# KiCad board B-Sides 2025.kicad_pcb
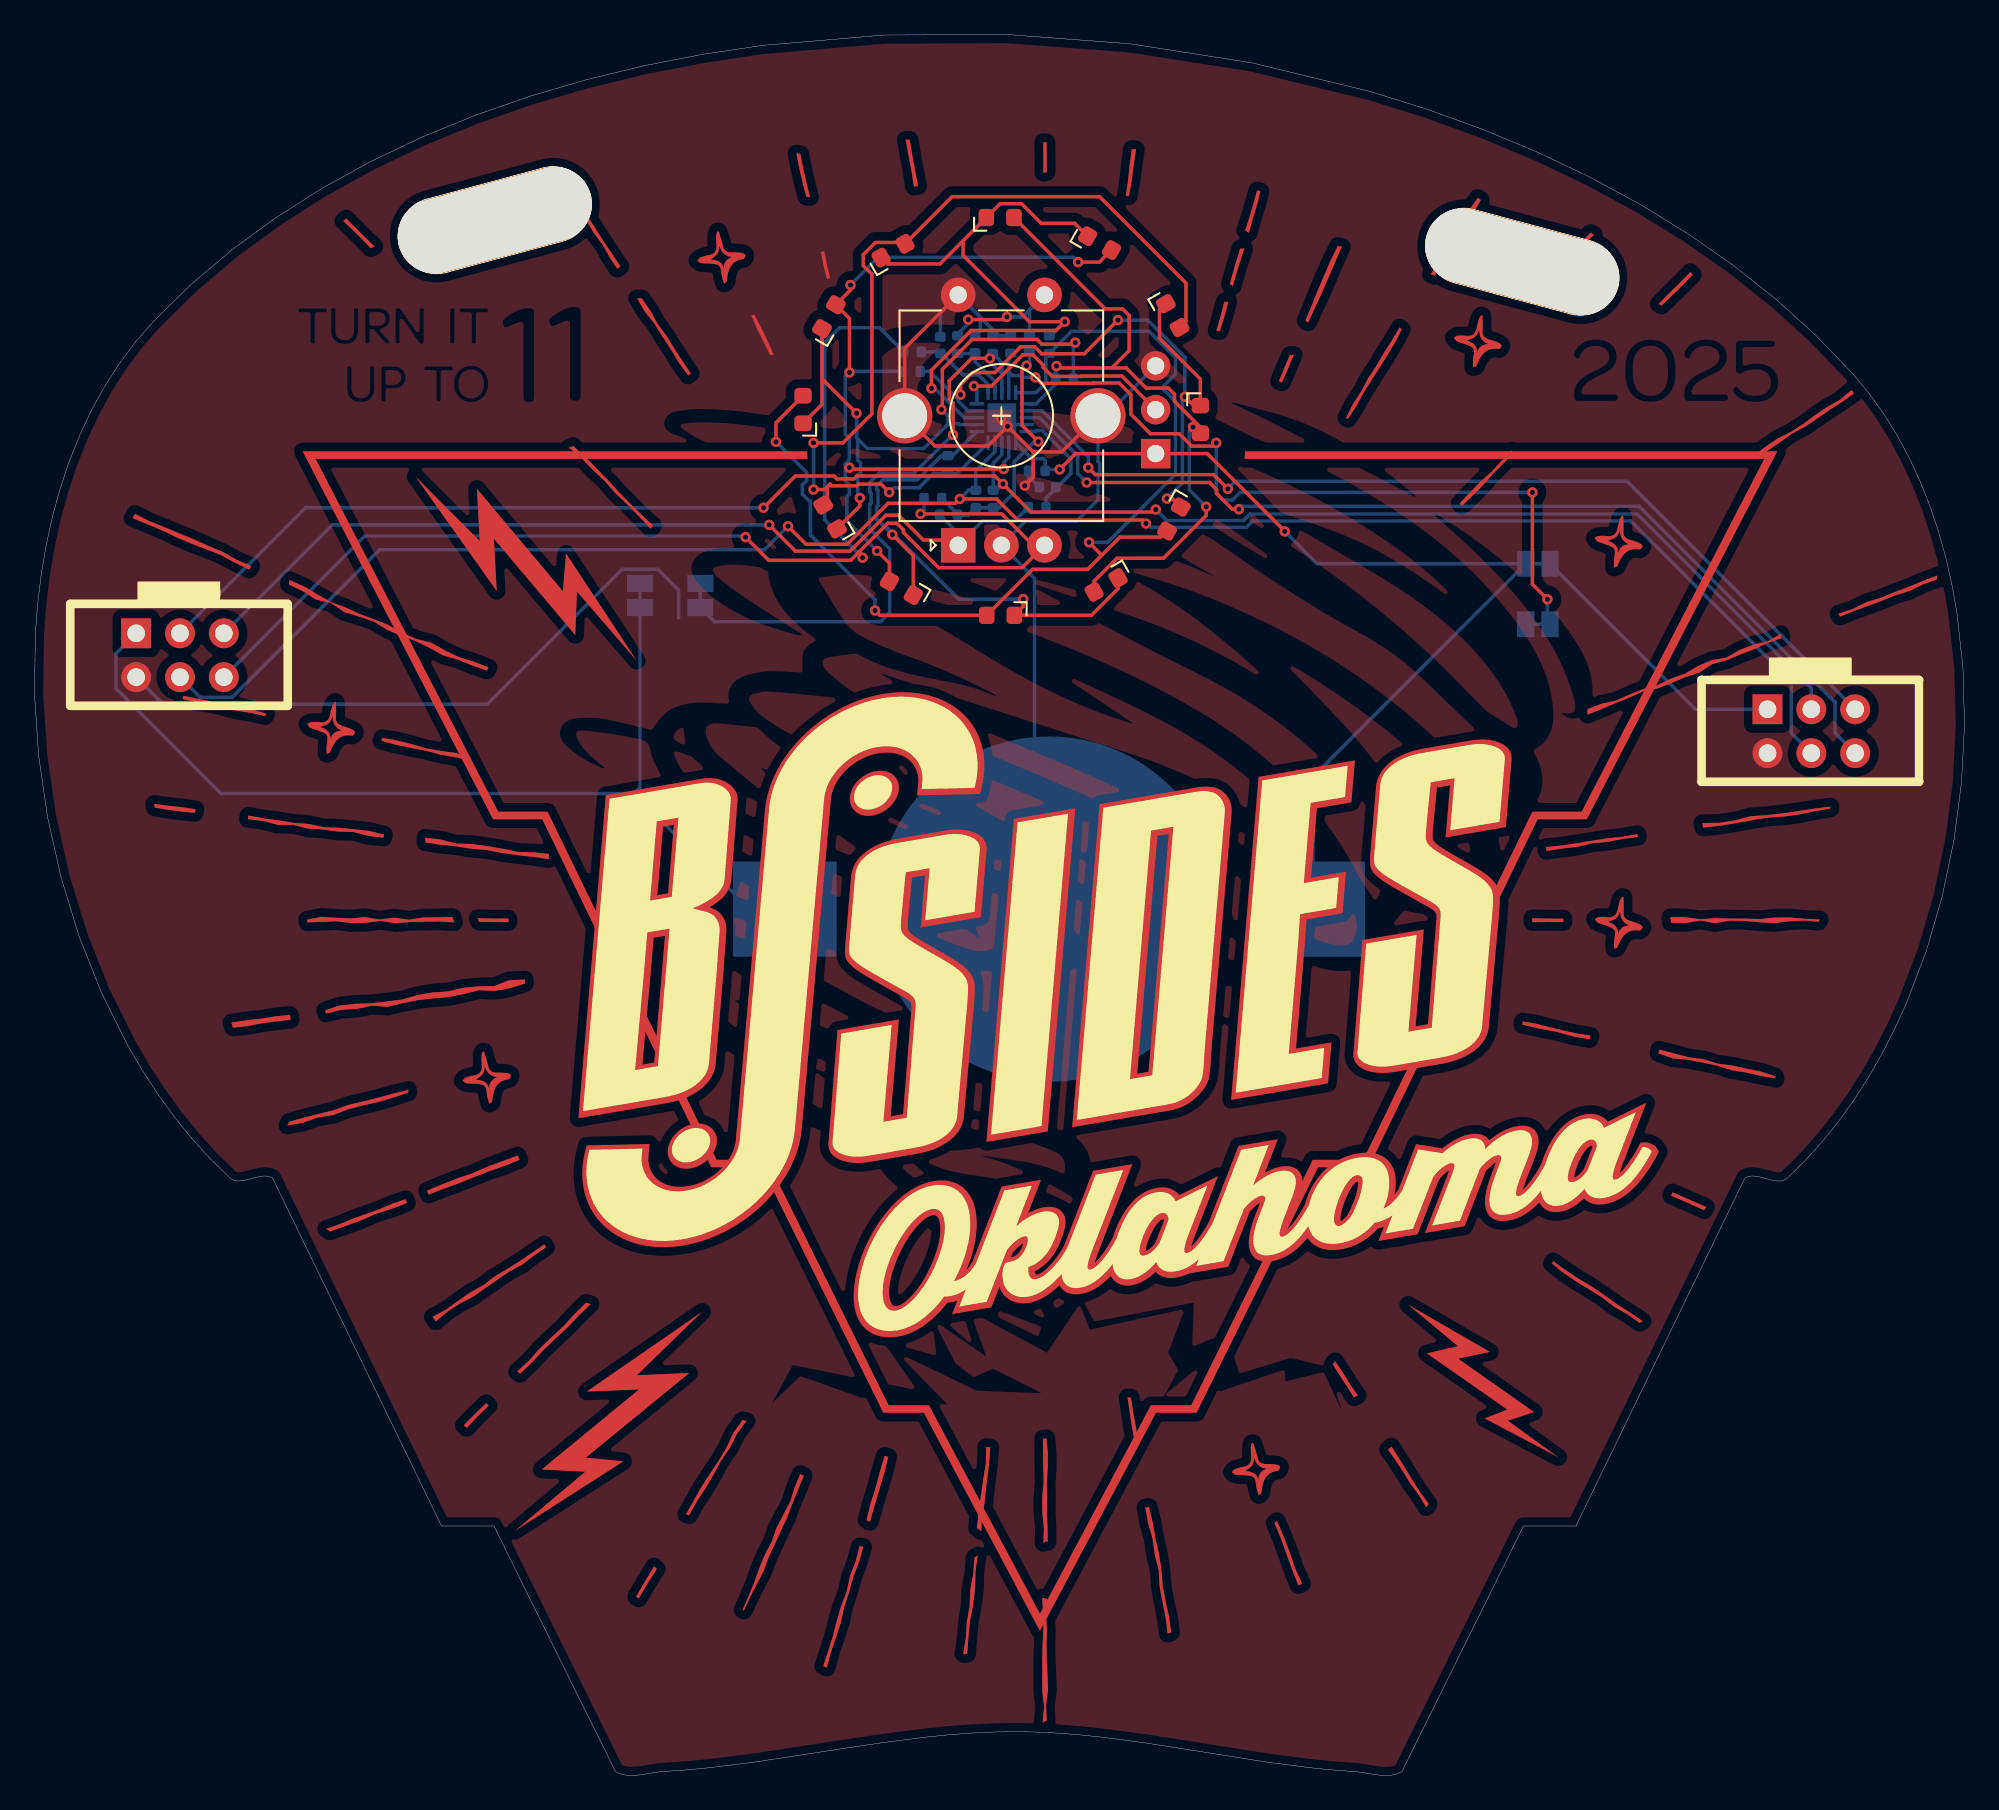
[diagram p0: board, top side]
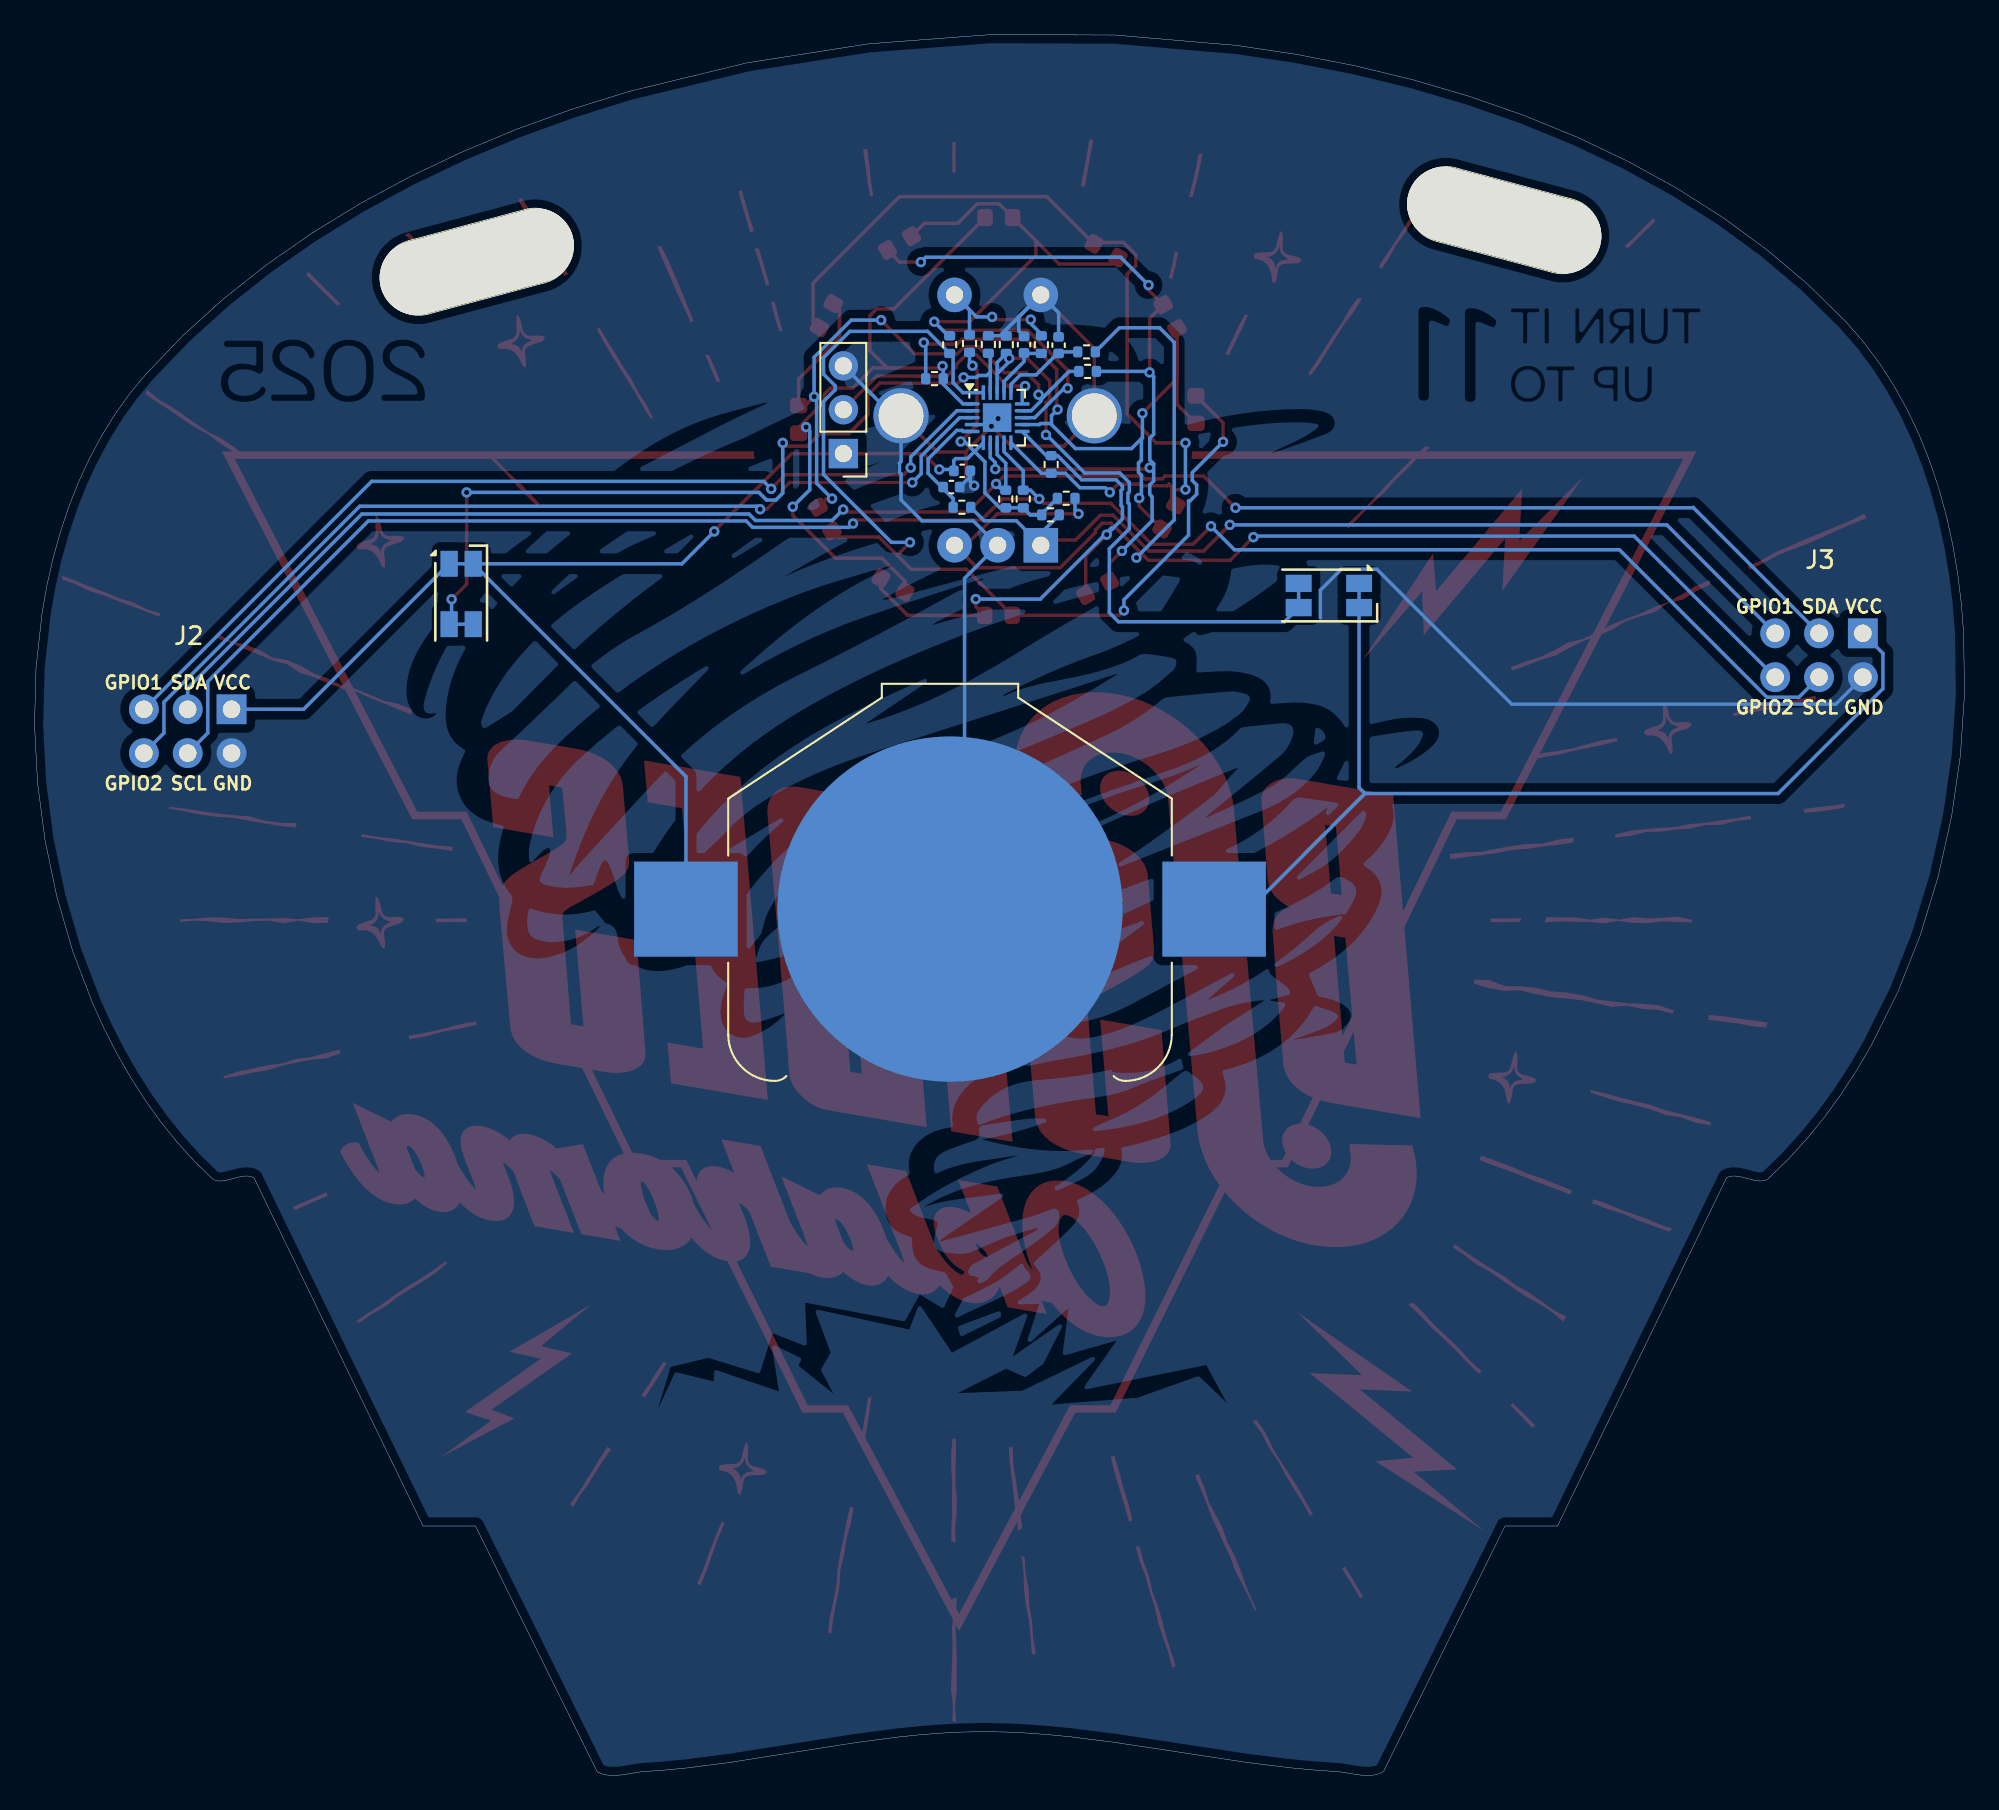
[diagram p1: board, bottom side, seen from below]

Outline 111.82 x 100.84 mm; copper layers: Top, Bottom. Coordinates in mm from the lower left corner of the outline.
Outline path: outline of 185 points within 0,0 111.82,100.84 closed
Stack: Top 0.035mm / dielectric 1.51mm FR4 er 4.5 / Bottom 0.035mm

## Placement (name value [footprint] x y rotation side)
BT1  Battery  [BatteryHolder_Keystone_3008_1x2450]  58.78 50.18 180 bottom
C1  100n  [C_0402_1005Metric]  58.7 74.63 180 bottom
C2  100n  [C_0402_1005Metric]  52.49 82.85 90 bottom
C3  100n  [C_0402_1005Metric]  54.49 82.88 90 bottom
C4  2u  [C_0402_1005Metric]  58.08 75.57 180 bottom
D1  LED  [LED_Kingbright_APA1606_1.6x0.6mm_Horizontal]  62.09 68.96 210 top
D2  LED  [LED_Kingbright_APA1606_1.6x0.6mm_Horizontal]  55.97 67.2 180 top
D3  LED  [LED_Kingbright_APA1606_1.6x0.6mm_Horizontal]  50.23 68.77 150 top
D4  LED  [LED_Kingbright_APA1606_1.6x0.6mm_Horizontal]  46.09 72.9 120 top
D5  LED  [LED_Kingbright_APA1606_1.6x0.6mm_Horizontal]  44.53 79.12 90 top
D6  LED  [LED_Kingbright_APA1606_1.6x0.6mm_Horizontal]  46.03 84.49 60 top
D7  LED  [LED_Kingbright_APA1606_1.6x0.6mm_Horizontal]  49.75 88.32 30 top
D8  LED  [LED_Kingbright_APA1606_1.6x0.6mm_Horizontal]  55.95 90.24 0 top
D9  LED  [LED_Kingbright_APA1606_1.6x0.6mm_Horizontal]  61.71 88.76 330 top
D10  LED  [LED_Kingbright_APA1606_1.6x0.6mm_Horizontal]  65.95 84.56 300 top
D11  LED  [LED_Kingbright_APA1606_1.6x0.6mm_Horizontal]  67.55 78.55 270 top
D12  LED  [LED_Kingbright_APA1606_1.6x0.6mm_Horizontal]  66.02 72.77 240 top
H1  MountingHole  [MountingHole_4.3mm_M4_11mm_slot]  86.2 87.68 255 top  (not fitted)
H2  MountingHole  [MountingHole_4.3mm_M4_11mm_slot]  26.67 90.09 105 top  (not fitted)
J1  Conn_01x03_Pin  [PinHeader_1x03_P2.54mm_Vertical]  64.96 76.57 0 bottom
J2  Conn_02x03_Counter_Clockwise  [Simple_Addon_v2-BADGE-2x3]  102.89 60.51 0 top
J3  Conn_02x03_Counter_Clockwise  [Simple_Addon_v2-BADGE-2x3]  8.37 64.91 0 top
Q1  KPS-3227  [Kingbright_KPS-3227]  87.1 68.43 180 bottom
Q2  KPS-3227  [Kingbright_KPS-3227]  36.83 68.35 270 bottom
R1  1k  [R_0402_1005Metric]  58.09 73.46 180 bottom
R2  10k  [R_0402_1005Metric]  57.65 82.94 90 bottom
R3  1k  [R_0402_1005Metric]  52.92 75.94 90 bottom
R4  1k  [R_0402_1005Metric]  59.68 80.91 0 bottom
R5  1k  [R_0402_1005Metric]  58.8 82.88 90 bottom
R6  1k  [R_0402_1005Metric]  50.81 81.33 0 bottom
R7  10k  [R_0402_1005Metric]  56.56 82.89 90 bottom
R8  10k  [R_0402_1005Metric]  55.52 82.88 90 bottom
R9  10k  [R_0402_1005Metric]  55.55 73.94 90 bottom
R10  10k  [R_0402_1005Metric]  52.96 73.02 180 bottom
R11  1k  [R_0402_1005Metric]  53.49 82.88 270 bottom
R12  1k  [R_0402_1005Metric]  50.87 82.46 180 bottom
R13  10k  [R_0402_1005Metric]  52.05 73.98 180 bottom
R14  10k  [R_0402_1005Metric]  54.54 73.94 90 bottom
SW1  RotaryEncoder_Switch_MP  [RotaryEncoder_Alps_EC11E-Switch_Vertical_H20mm_CircularMountingHoles]  53.52 71.26 90 top
U2  CH32V003FxUx  [QFN-20-1EP_3x3mm_P0.4mm_EP1.65x1.65mm]  56.05 78.65 180 bottom

## Library data of the parts
BT1 = -: Datasheet: https://www.lcsc.com/datasheet/lcsc_datasheet_2411271947_MYOUNG-MY-2450-01_C964845.pdf; Description: Multiple-cell battery; LCSC: C964845
C1-C4 = -: Description: Unpolarized capacitor, small symbol; ki_fp_filters: C_*
D1-D12 = -: Description: Light emitting diode; ki_fp_filters: LED* LED_SMD:* LED_THT:*
H1 H2 = -: Description: Mounting Hole without connection; ki_fp_filters: MountingHole*
J1 = -: Description: Generic connector, single row, 01x03, script generated; ki_fp_filters: Connector*:*_1x??_*
J2 J3 = -: LCSC: C92272
Q1 Q2 = -: Datasheet: https://www.kingbright.com/attachments/file/psearch/000/00/00/KPS-3227SP1C(Ver.16).pdf; Description: Ambient light NPN phototransistor, KPS-3227; ki_fp_filters: Kingbright*KPS?3227*
R1-R14 = -: Description: Resistor, small symbol; ki_fp_filters: R_*
SW1 = -: Description: Rotary encoder, dual channel, incremental quadrate outputs, with switch and MP Pin; LCSC: C2687299; ki_fp_filters: RotaryEncoder*Switch*
U2 = -: Datasheet: https://www.wch-ic.com/products/CH32V003.html; Description: CH32V003 series are industrial-grade general-purpose microcontrollers designed based on 32-bit RISC-V instruction set and architecture. It adopts QingKe V2A core, RV32EC instruction set, and supports 2 levels of interrupt nesting. The series are mounted with rich peripheral interfaces and function modules. Its internal organizational structure meets the low-cost and low-power embedded application scenarios.; LCSC: C5299908; ki_fp_filters: QFN*1EP*3x3mm*P0.4mm*EP1.65x1.65mm*

## Footprints (pads in the part's own frame, mm; a bottom-side part is the same pattern mirrored in y, then rotated)
BatteryHolder_Keystone_3008_1x2450
  rect 6x5.5 smd: 1(-15.3,0) 1(15.3,0)
  round 20 smd: 2(0,0)
C_0402_1005Metric
  rrect 0.56x0.62 smd: 1(-0.48,0) 2(0.48,0)
Kingbright_KPS-3227
  rect 1x1.5 smd: 1(-0.7,1.75) 2(-0.7,-1.75) 3(0.7,1.75) 4(0.7,-1.75)
LED_Kingbright_APA1606_1.6x0.6mm_Horizontal
  rrect 0.9x1 smd: 1(-0.8,0) 2(0.8,0)
MountingHole_4.3mm_M4_11mm_slot
  oval 4.3x11.5 hole 4.3x11.5 unplated: (0,0)
PinHeader_1x03_P2.54mm_Vertical
  rect 1.7x1.7 hole 1: 1(0,0)
  oval 1.7x1.7 hole 1: 2(0,-2.54) 3(0,-5.08)
QFN-20-1EP_3x3mm_P0.4mm_EP1.65x1.65mm
  rrect 0.67x0.67 smd: (-0.41,-0.41) (-0.41,0.41) (0.41,-0.41) (0.41,0.41)
  rrect 0.85x0.2 smd: 1(-1.45,0.8) 2(-1.45,0.4) 3(-1.45,0) 4(-1.45,-0.4) 5(-1.45,-0.8) 11(1.45,-0.8) 12(1.45,-0.4) 13(1.45,0) 14(1.45,0.4) 15(1.45,0.8)
  rrect 0.2x0.85 smd: 6(-0.8,-1.45) 7(-0.4,-1.45) 8(0,-1.45) 9(0.4,-1.45) 10(0.8,-1.45) 16(0.8,1.45) 17(0.4,1.45) 18(0,1.45) 19(-0.4,1.45) 20(-0.8,1.45)
  rect 1.65x1.65 smd: 21(0,0)
R_0402_1005Metric
  rrect 0.54x0.64 smd: 1(-0.51,0) 2(0.51,0)
RotaryEncoder_Alps_EC11E-Switch_Vertical_H20mm_CircularMountingHoles
  rect 2x2 hole 1: A(0,0)
  round 2 hole 1: B(0,-5) C(0,-2.5) S1(14.5,-5) S2(14.5,0)
  round 3.2 hole 2.6: MP(7.5,3.1) MP(7.5,-8.1)
Simple_Addon_v2-BADGE-2x3
  rect 1.727x1.727 hole 1.016: 1(-2.48,1.25)
  round 1.727 hole 1.016: 2(-2.48,-1.29) 5(2.6,1.25) 6(2.6,-1.29)
  oval 1.727x1.727 hole 1.016: 3(0.06,1.25) 4(0.06,-1.29)

## Nets
GND: BT1.2 C1.2 C2.2 C3.2 C4.2 J1.3 J2.2 J3.2 R7.2 R8.2 SW1.C SW1.MP SW1.S2 U2.4 U2.21
VDD: BT1.1 C4.1 J1.1 J2.1 J3.1 Q1.1 Q1.3 Q2.1 Q2.3 R2.1 R9.1 R10.1 R13.1 R14.1 U2.6
/DIO: J1.2 U2.15
/GPIO_BUTTON: C3.1 R11.2 U2.17
/GPIO_PHOTO_A: Q1.2 Q1.4 R7.1 U2.19
/GPIO_PHOTO_B: Q2.2 Q2.4 R8.1 U2.18
/GPIO_ROT_A: C1.1 R1.1 U2.5
/GPIO_ROT_B: C2.1 R12.1 U2.16
/GPIO_X1: D1.1 D2.1 D3.1 R3.2 U2.11
/GPIO_X2: D4.1 D5.1 D6.1 R4.2 U2.12
/GPIO_X3: D7.1 D8.1 D9.1 R5.2 U2.13
/GPIO_X4: D10.1 D11.1 D12.1 R6.2 U2.14
/GPIO_Y1: D4.2 D7.2 D10.2 R3.1 U2.10
/GPIO_Y2: D1.2 D8.2 D11.2 R4.1 U2.1
/GPIO_Y3: D2.2 D5.2 D12.2 R5.1 U2.20
/GPIO_Y4: D3.2 D6.2 D9.2 R6.1 U2.7
/PA1: J2.5 U2.2
/PA2: J2.6 U2.3
/ROT_A: J3.5 R1.2 R10.2 SW1.A
/ROT_B: J3.6 R12.2 R13.2 SW1.B
/SCL: J2.4 J3.4 R14.2 U2.9
/SDA: J2.3 J3.3 R9.2 U2.8
Net-(R11-Pad1): R2.2 R11.1 SW1.S1

## Via types
v1: diameter 0.6, hole 0.3, Top to Bottom, 57 vias

## Routing (per net, layer and track width the routed paths; a pad name or vN(x,y) marks a point on that pad's centre or on a via; arc(x,y) is an arc through that point)
GND: length 113.5
  Top w0.2: SW1.S2 50.42,82.66 SW1.MP 52.17,77.01 55.24,77.01 v1(56.38,78.15) 57.86,76.66 ; SW1.MP 59.52,76.66 57.86,76.66 ; v1(57.38,74.71) 57.86,75.19 57.86,76.66
  Bottom w0.2: C1.2 57.62,75.23 57.62,75.55 ; C4.2 57.6,74.93 v1(57.38,74.71) ; R8.2 55.52,83.76 SW1.S2 ; C2.2 52.49,84.73 SW1.S2 ; SW1.MP 61.62,76.11 61.71,76.02 61.71,75.48 61.62,75.39 61.62,73.89 60.4,72.67 57.43,72.67 SW1.C 57.94,69.34 57.94,52.27 ; SW1.S2 54.8,84.48 54.8,83.67 C3.2 ; SW1.S2 55.88,83.4 R7.2 ; J3.2 7.45,62.05 26.23,62.05 34.05,69.87 36.11,69.87 37.32,68.66 37.32,67.06 ; U2.4 56.48,78.25 ; J1.3 62.07,78.76
  vias: v1(55.99,78.59)
VDD: length 149.3
  Top w0.2: v1(59.4,75.65) 60.32,76.57 J1.1 67.95,76.57 72.44,72.07 v1(72.44,72.06) ; v1(58.16,77.26) 57.22,78.2 57.22,81.4 v1(57.48,81.66)
  Bottom w0.2: Q1.3 74.31,70.18 v1(72.44,72.06) ; Q1.3 74.08,57.86 BT1.1 ; Q1.3 Q1.1 96.23,61.76 J2.1 ; 57.36,76.69 56.76,76.09 56.76,74.3 55.89,73.43 R9.1 R14.1 54.13,73.02 ; 57.36,76.69 57.77,76.28 58.45,76.28 58.56,76.17 C4.1 ; 57.36,76.69 57.93,77.26 v1(58.16,77.26) ; 57.36,76.69 U2.6 ; R2.1 57.65,81.83 v1(57.48,81.66) ; Q2.1 35.08,57.22 34.74,56.87 ; J3.1 4.72,64.99 4.72,62.95 10.8,56.87 34.74,56.87 ; 41.43,50.18 34.74,56.87 ; R10.1 54.13,73.02 ; 54.13,73.02 53.52,73.02 R13.1 ; v1(59.4,75.65) 58.64,75.65
/DIO: length 13.8
  Top w0.2: J1.2 63.01,81.06 60.67,81.06 60.65,81.04 58.97,81.04 58.44,81.56 58.44,81.7 57.85,82.29 57.26,82.29 55.45,80.48 v1(54.43,80.48)
  Bottom w0.2: v1(54.43,80.48) 54.6,80.31 U2.15
/GPIO_BUTTON: length 3.8
  Bottom w0.2: C3.1 54.49,81.9 55.65,80.74 U2.17 ; R11.2 54.46,82.37
/GPIO_PHOTO_A: length 47.5
  Top w0.2: v1(68.47,77.18) 68.28,77 67.05,77 66.33,77.72 64.66,77.72 63.53,78.85 63.53,79.97 62.84,80.66 61.33,80.66 61.31,80.64 58.34,80.64 v1(57.99,80.98) ; v1(86.79,74.32) 86.79,69 v1(87.66,68.13)
  Bottom w0.2: 56.45,81.29 56.64,81.09 57.13,81.09 57.24,80.98 v1(57.99,80.98) ; 56.45,81.29 U2.19 ; 56.45,81.29 56.45,82.27 ; Q1.4 Q1.2 ; v1(68.47,77.18) 68.47,74.28 68.87,73.87 69.41,73.87 69.85,74.32 v1(86.79,74.32) ; v1(87.66,68.13) 87.66,66.83
/GPIO_PHOTO_B: length 36.8
  Top w0.2: v1(53.22,77.65) 53.22,79.49 53,79.71 53,80.78 54.3,82.08 v1(55.35,82.08)
  Bottom w0.2: 56.05,81.19 55.35,81.88 v1(55.35,82.08) ; 56.05,81.19 U2.18 ; 56.05,81.19 56.05,81.84 R8.1 ; Q2.2 Q2.4 39.4,66.83 49.02,66.83 49.55,67.36 49.55,71.04 48.39,72.2 48.39,73.64 48.47,73.72 48.47,74.26 48.39,74.34 48.39,74.89 48.95,75.45 50.98,75.45 53.18,77.65 v1(53.22,77.65)
/GPIO_ROT_A: length 7.5
  Bottom w0.2: R1.1 58.6,73.97 ; 58.6,73.97 60.05,75.42 60.05,76.25 58.39,77.91 58.08,77.91 58.02,77.85 U2.5 ; 58.6,73.97 59.18,74.55
/GPIO_ROT_B: length 4.9
  Bottom w0.2: R12.1 52.4,82.46 ; U2.16 55.25,80.57 54.7,81.13 53.79,81.13 52.55,82.37
/GPIO_X1: length 32.5
  Top w0.2: D1.1 62.78,68.74 61.24,67.2 D2.1 57.29,67.72 v1(57.29,68.14) ; D3.1 50.92,70.65 v1(49.7,71.87)
  Bottom w0.2: U2.11 53.2,76.45 R3.2 52.54,76.45 51.14,75.05 49.15,75.05 48.79,74.68 48.79,74.51 48.87,74.43 48.87,73.56 48.79,73.48 48.79,72.78 49.33,72.25 ; 49.33,72.25 v1(49.7,71.87) ; 49.33,72.25 49.44,72.25 53.55,68.14 v1(57.29,68.14)
/GPIO_X2: length 41.1
  Top w0.2: D4.1 47.82,73.53 v1(47.82,73.99) ; v1(47.63,78.9) 45.63,80.9 D6.1 45.63,79.42 D5.1 ; v1(60.3,83) 60.21,82.91 58.36,82.91 58.09,83.18 54.33,83.18 52.6,81.45 52.6,79.17 v1(52.55,79.12)
  Bottom w0.2: U2.12 53.6,78.25 53.54,78.31 52.96,78.31 52.9,78.25 ; 52.9,78.25 51.51,76.86 48.26,76.86 47.63,77.49 ; 52.9,78.25 52.9,78.77 v1(52.55,79.12) ; 47.63,77.49 47.69,77.43 47.69,76.19 47.86,76.02 47.86,75.48 47.69,75.31 47.69,74.12 v1(47.82,73.99) ; 47.63,77.49 v1(47.63,78.9) ; v1(60.3,83) 60.19,82.89 R4.2
/GPIO_X3: length 37.1
  Top w0.2: 53.8,88.89 53.8,88.04 57.64,84.2 v1(59.69,84.2) 59.19,83.7 54.27,83.7 51.97,81.4 v1(51.97,80.35) ; 53.8,88.89 D8.1 55.95,91.04 57.2,91.04 58.33,89.91 60.27,89.91 D9.1 ; 53.8,88.89 52.46,87.55 49.42,87.55 D7.1
  Bottom w0.2: 58.88,83.39 v1(59.69,84.2) ; v1(51.97,80.35) 52.17,80.35 53.87,78.65 U2.13
/GPIO_X4: length 38.4
  Top w0.2: 67.17,79.35 v1(66.65,79.86) ; D10.1 65.18,84.89 65.18,83.25 67.55,80.89 D11.1 ; v1(65.61,73.96) 65.93,73.96 D12.1 ; v1(62.77,84.3) 60.82,82.35 58.35,82.35 57.94,82.76 57.14,82.76 55.65,81.26 54.36,81.26 53.65,80.55 v1(53.65,79.98)
  Bottom w0.2: v1(53.65,79.98) 53.65,79.81 53.52,79.68 ; U2.14 54.08,79.05 53.52,79.6 53.52,79.68 ; R6.2 51.88,81.33 53.52,79.68 ; v1(65.61,73.96) 66.51,74.85 66.51,79.72 v1(66.65,79.86) 66.65,82.14 64.5,84.3 v1(62.77,84.3)
/GPIO_Y1: length 53.8
  Top w0.2: v1(49.52,74.32) 49.05,74.8 47.74,74.8 47.64,74.7 46.19,74.7 46.1,74.8 ; 45.94,73.83 45.94,74.64 46.1,74.8 ; 50.36,88.79 48.73,88.79 48.02,88.09 48.02,87.46 48.52,86.96 48.52,78.87 46.84,77.18 v1(45.14,77.18) ; 46.1,74.8 45.78,74.48 v1(45.14,74.48) ; D7.2 53.17,91.45 61.71,91.45 66.71,86.44 66.71,84.23 D10.2
  Bottom w0.2: v1(45.14,77.18) v1(45.14,74.48) ; U2.10 53.48,75.43 R3.1 52.09,75.43 51.25,74.59 49.78,74.59 v1(49.52,74.32)
/GPIO_Y2: length 40.9
  Top w0.2: 67.47,77.75 v1(67.12,78.1) ; v1(59.21,81.64) 59.33,81.53 62.42,81.53 ; 62.42,81.53 63.25,81.53 64.42,80.36 65.7,80.36 66.05,80 66.05,79.59 67.55,78.1 D11.2 ; 62.42,81.53 63.42,82.53 63.42,84.56 63.04,84.95 62.04,84.95 D8.2 ; v1(67.89,73.49) 67.89,72.98 65.41,70.51 62.72,70.51 61.39,69.17 D1.2
  Bottom w0.2: U2.1 58.03,79.45 59.17,80.59 R4.1 59.17,81.59 v1(59.21,81.64) ; v1(67.89,73.49) 66.91,74.47 66.91,77.89 v1(67.12,78.1)
/GPIO_Y3: length 62.1
  Top w0.2: 61.84,70.67 61.03,69.87 57.84,69.87 D2.2 48.98,67.2 v1(48.7,67.48) ; 61.84,70.67 62.89,71.73 65.27,71.73 D12.2 ; 61.84,70.67 61.15,71.37 61.15,71.43 v1(61.1,71.43) ; v1(42.96,77.25) 42.96,78.35 D5.2
  Bottom w0.2: v1(61.1,71.43) 62.18,71.43 66.11,75.36 66.11,79.58 65.43,80.26 65.43,80.5 66.11,81.17 66.11,82.12 64.58,83.65 60.08,83.65 R5.1 58.6,82.17 58.6,80.67 58.03,80.1 U2.20 ; v1(48.7,67.48) 48.7,68.09 44.96,71.84 44.96,73.83 44.87,73.83 44.49,74.21 44.49,74.75 44.74,75 44.74,75.47 v1(42.96,77.25)
/GPIO_Y4: length 49.6
  Top w0.2: v1(48.82,70.93) 49.53,70.21 D3.2 ; v1(47.21,75.75) 47.29,75.67 v1(56.16,75.67) ; v1(47.22,81.27) 47.22,84.4 D6.2 47.28,86.04 v1(47.28,86.33) ; D9.2 61.7,87.66 v1(60.47,87.66)
  Bottom w0.2: v1(60.47,87.66) 60.19,87.94 48.89,87.94 v1(47.28,86.33) ; v1(48.82,70.93) 47.07,72.68 47.07,74.05 47.11,74.09 47.11,74.12 47.21,74.21 47.21,74.75 46.98,74.98 46.98,75.98 ; v1(47.21,75.75) 47.21,75.75 46.98,75.98 ; R6.1 47.28,81.33 v1(47.22,81.27) 46.98,81.03 46.98,77.68 47.21,77.45 47.21,76.2 46.98,75.98 ; U2.7 56.45,76.34 56.16,76.05 v1(56.16,75.67)
/PA1: length 55.9
  Top w0.2: v1(61.06,75.75) 61.46,75.35 68.32,75.35 v1(69.14,74.52)
  Bottom w0.2: U2.2 58.38,79.05 61.06,76.37 v1(61.06,75.75) ; v1(69.14,74.52) 69.57,74.96 92.29,74.96 J2.5
/PA2: length 58
  Top w0.2: v1(60.96,74.89) 68.07,74.89 68.49,74.47 68.49,74.25 69.4,73.34 v1(69.78,73.34)
  Bottom w0.2: v1(69.78,73.34) 69.96,73.52 92.97,73.52 104.32,62.17 104.32,60.38 J2.6 ; U2.3 58.22,78.65 60.45,76.42 60.45,75.4 v1(60.96,74.89)
/ROT_A: length 53.4
  Top w0.2: v1(42.57,72.44) 44.09,70.92 47.25,70.92 49.33,73 50.06,73 51.5,71.56 53.22,71.56
  Bottom w0.2: J3.5 17.25,72.44 v1(42.57,72.44) ; R10.2 53.52,71.95 ; R1.2 56.8,72.68 54.94,72.68 SW1.A
/ROT_B: length 81.6
  Top w0.2: 47.76,70.86 47.98,70.65 v1(47.98,70.54) ; 47.76,70.86 49.44,72.53 49.96,72.53 50.35,72.14 50.35,71.99 52.38,69.96 57.22,69.96 SW1.B ; 47.76,70.86 47.29,70.39 42.54,70.39 v1(41.2,71.73) ; 57.86,71.26 56.04,73.08 v1(51.34,73.08)
  Bottom w0.2: R13.2 51.54,73.28 v1(51.34,73.08) ; R12.2 48.96,83.86 46.64,83.86 45.79,83.01 45.79,72.73 v1(47.98,70.54) ; J3.6 19.14,71.79 41.14,71.79 v1(41.2,71.73)
/SCL: length 113.3
  Top w0.2: v1(43.66,72.36) 44.7,71.32 47.09,71.32 49.46,73.69 53.36,73.69 v1(53.61,73.94) ; 53.46,73.94 55.74,73.94 56.96,72.72 64.2,72.72 v1(64.4,72.52)
  Bottom w0.2: v1(43.66,72.36) 42.3,71 19.99,71 11.45,62.45 9.59,62.45 J3.4 ; v1(64.4,72.52) 64.62,72.29 70.22,72.29 70.59,72.67 92.48,72.67 101.78,63.36 101.78,60.38 J2.4 ; U2.9 55.65,76.67 54.54,75.56 R14.2 54.12,74.45 v1(53.61,73.94)
/SDA: length 108.7
  Top w0.2: v1(42.24,73.43) 44.08,75.27 46.32,75.27 46.49,75.1 47.48,75.1 47.64,75.27 55.65,75.27 v1(56.11,74.81) 57.74,73.18 64.82,73.18 v1(64.97,73.33)
  Bottom w0.2: J2.3 102.95,62.98 92.86,73.07 70.42,73.07 70.05,72.69 65.6,72.69 v1(64.97,73.33) ; U2.8 56.05,76.51 55.55,76.01 R9.2 ; J3.3 15.72,73.45 15.74,73.43 v1(42.24,73.43) ; 55.75,74.45 v1(56.11,74.81)
Net-(R11-Pad1): length 8.8
  Top w0.2: v1(54.1,84.32) 56.18,84.32 v1(56.34,84.48)
  Bottom w0.2: 53.49,83.49 54.1,84.1 v1(54.1,84.32) ; R2.2 57.65,84.89 SW1.S1 57.24,84.48 v1(56.34,84.48)

## Copper pours and planes (outline as drawn; the poured copper is in the pictures)
GND on Top (solid shape): 42.11,83.84 42.48,83.07 42.83,82.3 42.63,82.26 42.24,83.03 41.85,83.8 41.52,84.59 41.72,84.6
GND on Top, Bottom: -12.92,105.82 110.82,119.44 138.12,17.56 0.13,-28.21
/GPIO_PHOTO_A on Top (solid shape): 63.52,21.89 63.67,20.97 63.84,20.06 63.98,19.14 63.8,19.11 63.61,20.04 63.46,20.97 63.33,21.9
/GPIO_PHOTO_A on Top (solid shape): 87.02,43.54 87.8,43.34 88.58,43.15 89.37,42.98 90.16,42.85 90.1,42.64 89.12,42.81 88.15,43.08 87.17,43.26 86.2,43.49 86.23,43.67
/GPIO_PHOTO_A on Top (solid shape): 85.66,76.54 85.06,75.95 84.47,75.35 83.91,74.72 83.31,74.12 82.71,73.53 82.57,73.68 83.17,74.31 83.77,74.93 84.4,75.5 84.99,76.13 85.6,76.74
/GPIO_PHOTO_A on Top (solid shape): 55.38,19.01 55.32,18.19 55.23,17.38 55.12,16.57 55.04,15.76 54.9,14.96 54.85,14.14 54.6,14.34 54.7,15.28 54.83,16.21 54.97,17.15 55.12,18.08 55.14,19.03
/GPIO_PHOTO_A on Top (solid shape): 21.01,59.95 21.85,59.74 22.69,59.49 23.56,59.34 24.42,59.22 25.26,58.96 25.21,58.81 24.35,58.98 23.49,59.13 22.65,59.36 21.79,59.52 20.94,59.7 20.1,59.92 20.14,60.09
/GPIO_PHOTO_A on Top (solid shape): 31.9,76.38 32.56,75.71 33.21,75.05 33.84,74.35 34.5,73.68 35.17,73.03 35.85,72.39 35.78,72.31 35.69,72.22 35.04,72.91 34.38,73.6 33.68,74.24 33.05,74.96 32.36,75.61 31.7,76.29 30.97,76.91 31.21,77.01
/GPIO_PHOTO_A on Top (solid shape): 23.55,54.21 24.43,53.98 25.33,53.95 26.23,53.83 27.12,53.68 28.01,53.49 28.92,53.47 29.82,53.38 29.79,53.07 28.89,53.2 28,53.3 27.11,53.43 26.22,53.6 25.32,53.67 24.43,53.81 23.53,53.9 22.64,54.05 22.64,54.32
/GPIO_PHOTO_A on Top (solid shape): 58.66,10.23 58.59,9.35 58.67,8.46 58.63,7.58 58.65,6.7 58.69,5.82 58.72,4.94 58.61,4.06 58.65,3.18 58.41,3.06 58.5,3.96 58.39,4.87 58.39,5.77 58.39,6.68 58.41,7.58 58.46,8.48 58.44,9.39 58.38,10.3
/GPIO_PHOTO_A on Top (solid shape): 105.41,80.04 104.71,79.55 103.99,79.08 103.29,78.6 102.58,78.12 101.82,77.72 101.13,77.21 100.42,76.74 99.72,76.25 99.61,76.44 100.29,76.96 101,77.44 101.77,77.82 102.48,78.29 103.17,78.8 103.88,79.27 104.62,79.69 105.29,80.25
/GPIO_PHOTO_A on Top (solid shape): 15.61,68.87 16.38,68.41 17.17,67.97 18.01,67.66 18.83,67.28 19.67,66.97 20.51,66.63 21.3,66.19 22.12,65.83 23,65.61 23.79,65.16 24.6,64.77 25.46,64.51 26.31,64.18 26.21,64 25.36,64.29 24.53,64.62 23.67,64.87 22.88,65.31 22.08,65.71 21.23,66 20.42,66.36 19.65,66.84 18.8,67.13 17.94,67.39 17.19,67.9 16.3,68.11 15.54,68.6 14.74,68.98 14.77,69.24
/GPIO_PHOTO_A on Top (solid shape): 101.23,65.88 100.42,65.6 99.63,65.24 98.83,64.92 98.03,64.59 97.19,64.36 96.45,63.88 95.63,63.61 94.83,63.27 94.03,62.96 93.18,62.78 92.39,62.42 91.58,62.1 90.79,61.76 89.98,61.44 89.97,61.76 90.77,62.07 91.62,62.26 92.4,62.61 93.2,62.93 94.03,63.16 94.81,63.53 95.62,63.81 96.37,64.26 97.16,64.6 98.02,64.75 98.77,65.18 99.57,65.5 100.42,65.69 101.18,66.12
/GPIO_PHOTO_A on Top (solid shape): 89.94,55.38 87.09,55.38 77.3,35.23 74.37,35.23 67.33,21.01 64.98,21.01 58.25,8.37 51.53,21.01 49.18,21.01 42.14,35.23 39.21,35.23 29.42,55.38 26.57,55.38 15.54,76.69 44.76,76.69 44.77,76.58 44.77,76.48 44.78,76.37 44.79,76.26 16.29,76.26 26.87,55.82 29.73,55.82 39.52,35.66 42.44,35.66 49.49,21.44 51.83,21.44 58.25,9.36 64.68,21.44 67.02,21.44 74.07,35.66 76.99,35.66 86.78,55.82 89.64,55.82 100.22,76.26 70.11,76.26 70.12,76.37 70.13,76.48 70.13,76.58 70.14,76.69 100.97,76.69
/GPIO_PHOTO_A on Top (solid shape): outline of 116 points within 36.69,35.15 39.54,37.76
/GPIO_PHOTO_A on Top (solid shape): outline of 116 points within 47.24,55.58 50.08,58.2
/GPIO_PHOTO_A on Top (solid shape): outline of 114 points within 31.51,38.07 40.74,57.77
/GPIO_PHOTO_A on Top (solid shape): outline of 256 points within 31.74,30.6 55.03,62.74
/GPIO_PHOTO_A on Top (solid shape): outline of 197 points within 46,35.48 55.17,54.79
/GPIO_PHOTO_A on Top (solid shape): outline of 197 points within 76.42,40.69 85.58,60
/GPIO_PHOTO_A on Top (solid shape): outline of 1181 points within 47.46,25.39 94.12,38.97

Small or netless copper shapes (teardrops, artwork), in the pictures only: 65 on Top
